# Altium PCB DSD_SDR_MainBoard_Quad.PcbDoc (part 1 of 2) (continued)
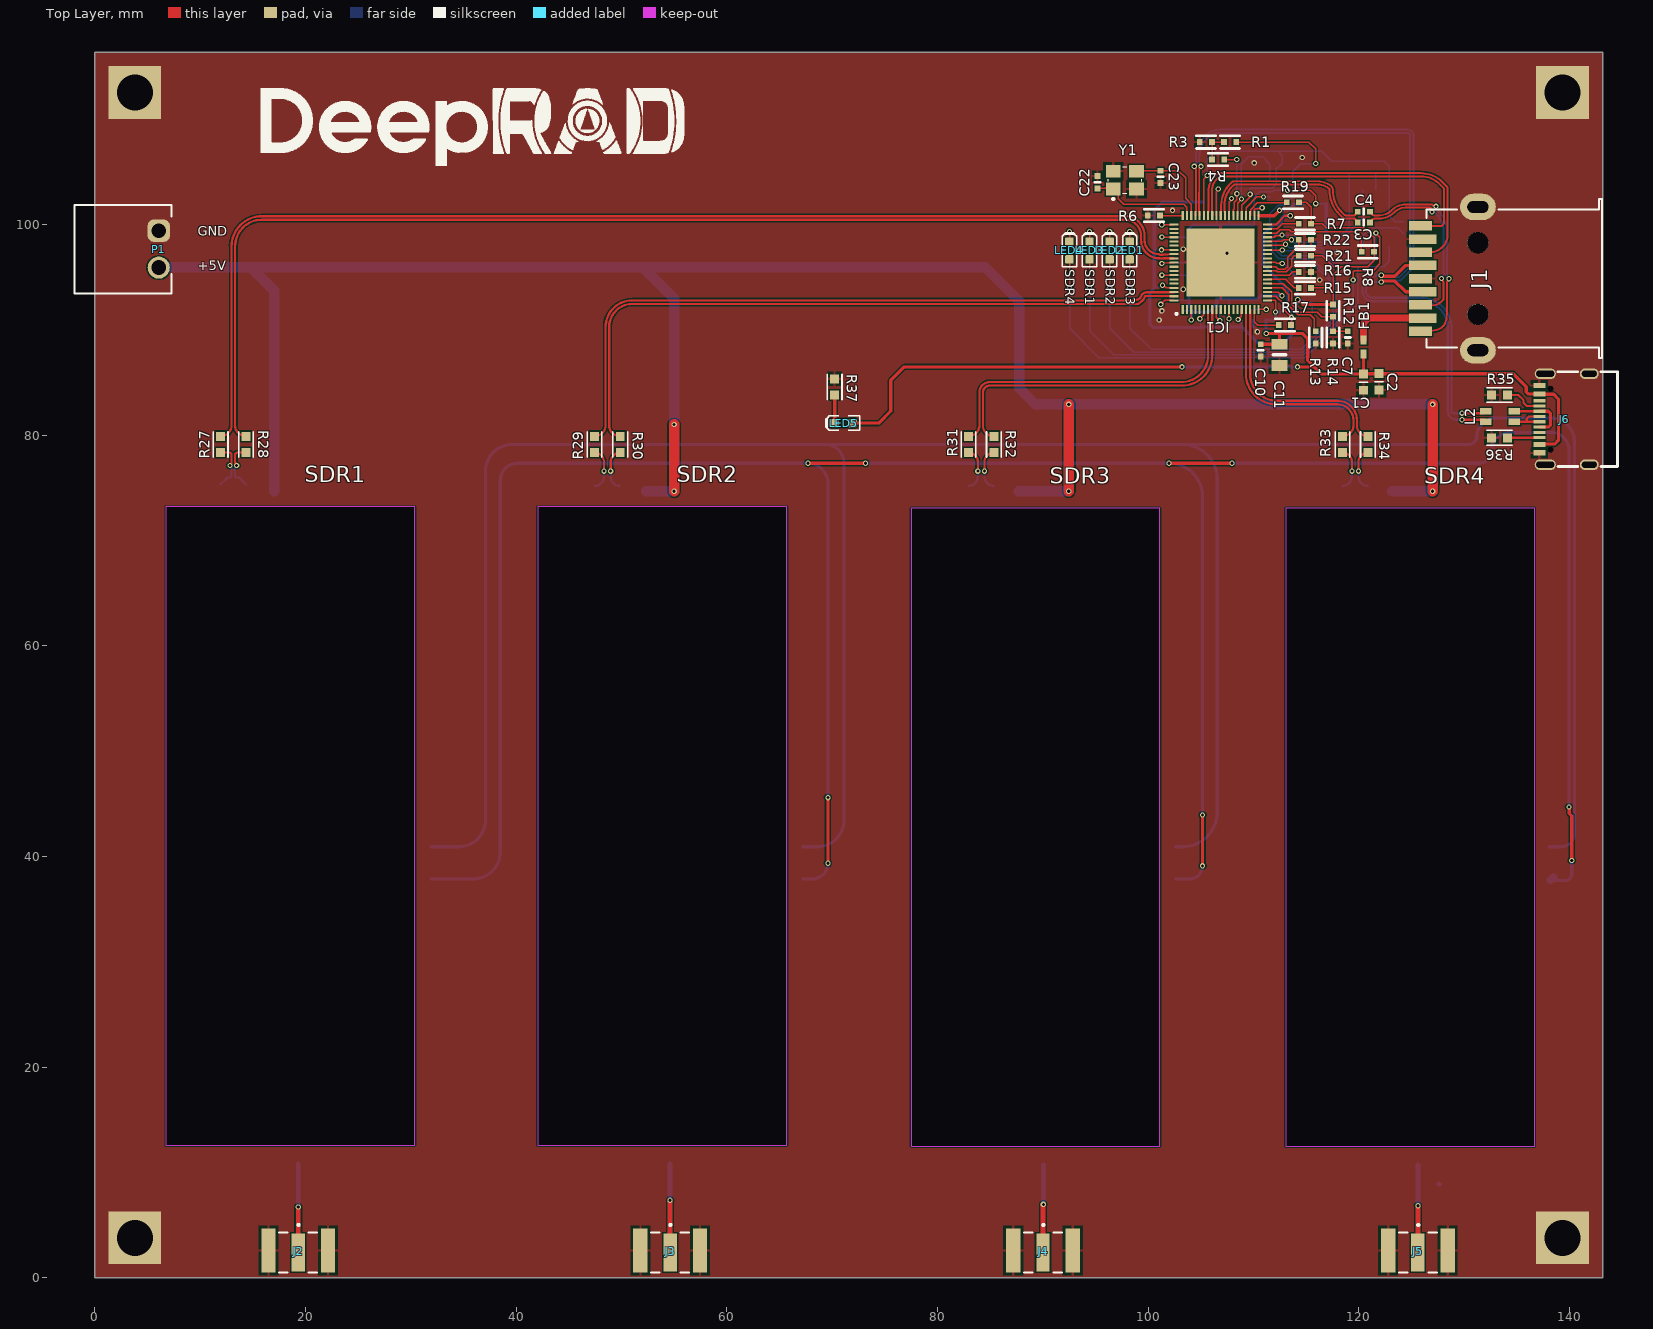
[diagram p0: Top Layer view]
## Footprints (in the part's own frame and the unit in brackets; to place one, negate y for a bottom-side part, rotate by r counter-clockwise, add the part's x,y. Pads: shape width x height; smd on the part's side, far side on the other; paste and mask are expansions set on the pad)
691322110002 [mm] "Horizontal PCB Header, pitch 3.5mm, 02p"
  rrect50% 2.1x2.1 hole 1.4: 1(-1.75,3.4)
  round 2.1 hole 1.4: 2(1.75,3.4)
  silkscreen extent -4.2,-4.6 4.2,4.6, body extent -4.2,-4.6 4.2,4.6, height 7.3
692122030100 [mm] "USB 3.0 Type A Horizontal SMD"
  rect 0.9x2.6 smd: 1(-3.75,8.67) 2(-1.25,8.67) 3(1.25,8.67) 4(3.75,8.67)
  rect 0.9x2.15 smd: 5(5,8.895) 6(2.5,8.895) 7(0,8.895) 8(-2.5,8.895) 9(-5,8.895)
  round 2 hole 2 unplated: MH1(-3.4,3.45) MH2(3.4,3.45)
  oval 2.52x3.4 hole 1.12 slot 2 at 90 deg: Shell(-6.8,3.45) Shell(6.8,3.45)
  silkscreen extent -7.55,-8.33 7.55,8.33, body extent -7.55,-8.33 7.55,9.47, height 7.95
ABM8G16000MHZB4YT [mm]
  rect 1.4x1.2 smd: 1(-1.1,-0.85) 2(1.1,-0.85) 3(1.1,0.85) 4(-1.1,0.85)
  silkscreen extent -1.6,-1.9 1.6,1.25, body extent -1.68,-1.33 1.68,1.33, height 1.1
INDC2518X200N [mm]
  rect 1.14x2.02 smd: 1(-1.14,0) 2(1.14,0)
  silkscreen extent -0.25,-1 0.25,1, body extent -1.27,-1 1.23,1, height 1.81
JAE_DX07S016JA1R1500 [mm]
  rect 0.5x1.14 smd paste-100 mask+0.051: 1(-3.075,3.477) 2(-2.275,3.477) 11(2.525,3.477) 12(3.325,3.477)
  rect 0.3x1.14 smd paste-100 mask+0.051: 3(-1.625,3.478) 4(-1.125,3.477) 5(-0.625,3.477) 6(-0.125,3.477) 7(0.375,3.477) 8(0.875,3.477) 9(1.375,3.478) 10(1.875,3.477)
  oval 1x2 hole 0.6 slot 1.7 at 90 deg paste-2539.97 mask+0.051: S3(-4.195,2.91) S4(4.445,2.91)
  oval 1x1.8 hole 0.6 slot 1.4 at 90 deg paste-2539.97 mask+0.051: S5(-4.195,-1.27) S6(4.445,-1.27)
  round 0.3 hole 0.5 paste-2539.97 mask+0.051: ""(-2.765,2.41) ""(3.015,2.41)
  silkscreen extent -4.38,-3.95 4.62,1.7, body extent -4.31,-3.86 4.64,4.04, height 3.16
LED-0603-GREEN [mm]
  round 0.254 on Mech15: 0(0,0)
  rrect25% 0.8x0.8 smd: A(-0.85,0) K(0.85,0)
  Top Layer pour cut-out: -0.5,0.5 0.5,0.5 0.5,-0.5 -0.5,-0.5
  silkscreen extent -1.55,-0.68 1.67,0.68, body extent -0.8,-0.4 0.8,0.4, height 0.75
QFN40P900X900X90-77N-D [mm]
  rect 0.85x0.2 smd: 1(-4.45,3.6) 2(-4.45,3.2) 3(-4.45,2.8) 4(-4.45,2.4) 5(-4.45,2) 6(-4.45,1.6) 7(-4.45,1.2) 8(-4.45,0.8) 9(-4.45,0.4) 10(-4.45,0) 11(-4.45,-0.4) 12(-4.45,-0.8) 13(-4.45,-1.2) 14(-4.45,-1.6) 15(-4.45,-2) 16(-4.45,-2.4) 17(-4.45,-2.8) 18(-4.45,-3.2) 19(-4.45,-3.6) 39(4.45,-3.6) 40(4.45,-3.2) 41(4.45,-2.8) 42(4.45,-2.4) 43(4.45,-2) 44(4.45,-1.6) 45(4.45,-1.2) 46(4.45,-0.8) 47(4.45,-0.4) 48(4.45,0) 49(4.45,0.4) 50(4.45,0.8) 51(4.45,1.2) 52(4.45,1.6) 53(4.45,2) 54(4.45,2.4) 55(4.45,2.8) 56(4.45,3.2) 57(4.45,3.6)
  rect 0.2x0.85 smd: 20(-3.6,-4.45) 21(-3.2,-4.45) 22(-2.8,-4.45) 23(-2.4,-4.45) 24(-2,-4.45) 25(-1.6,-4.45) 26(-1.2,-4.45) 27(-0.8,-4.45) 28(-0.4,-4.45) 29(0,-4.45) 30(0.4,-4.45) 31(0.8,-4.45) 32(1.2,-4.45) 33(1.6,-4.45) 34(2,-4.45) 35(2.4,-4.45) 36(2.8,-4.45) 37(3.2,-4.45) 38(3.6,-4.45) 58(3.6,4.45) 59(3.2,4.45) 60(2.8,4.45) 61(2.4,4.45) 62(2,4.45) 63(1.6,4.45) 64(1.2,4.45) 65(0.8,4.45) 66(0.4,4.45) 67(0,4.45) 68(-0.4,4.45) 69(-0.8,4.45) 70(-1.2,4.45) 71(-1.6,4.45) 72(-2,4.45) 73(-2.4,4.45) 74(-2.8,4.45) 75(-3.2,4.45) 76(-3.6,4.45)
  rect 6.45x6.45 smd: 77(0,0)
  silkscreen extent -4.97,4.1 -4.78,4.3, body extent -4.55,-4.55 4.55,4.55, height 0.9
SAMTEC_SMA-J-P-H-ST-EM1 [mm]
  rect 1.27x3.6 smd: 1(0,0)
  rect 1.35x4.2 smd: 2_1(-2.825,0.2) 3_1(2.825,0.2)
  rect 1.35x4.2 smd far side: 2_2(-2.825,0.2) 3_2(2.825,0.2)
  silkscreen extent -1.8,-1.9 1.8,2.72, body extent -3.17,-12.25 3.17,1.08, height 3.55
SDR [mm]
  rect 1.5x2 smd far side: 1(11.792,4.027) 2(6.972,4.027) 3(9.382,4.027) 4(4.562,4.027) 4(16.615,-59.816) 7(14.085,-59.816)
  rect 2x1.5 smd far side: 4(0.037,-55.626) 4(0.037,-53.105) 4(0.037,-2.429) 4(0.037,-0.019) 4(26.67,-55.626) 4(26.67,-53.086) 4(26.67,-2.423) 4(26.67,-0.013) 5(26.67,-29.718) 6(26.67,-32.766)
  Keep-Out Layer board cut-out: 25.146,-58.039 25.146,2.54 1.524,2.54 1.524,-58.039
SMD-0402-RES [mm]
  rect 0.55x0.55 smd: 1(0,0.584) 2(0,-0.584)
  silkscreen extent -0.6,-0.9 0.6,0.9, body extent -0.28,-0.57 0.27,0.58, height 0.41
SMD-0402C [mm]
  rect 0.55x0.55 smd: 1(0,0.584) 2(0,-0.584)
  silkscreen extent -0.25,0 0.25,0, body extent -0.25,-0.51 0.25,0.51, height 0.51
SMD-0603-RES [mm]
  rect 0.85x0.85 smd: 1(0,0.775) 2(0,-0.775)
  silkscreen extent -0.7,-1.2 0.7,1.2, body extent -0.4,-0.85 0.4,0.85, height 0.56
SMD-0603C [mm]
  rect 0.85x0.85 smd: 1(0,0.775) 2(0,-0.775)
  silkscreen extent -0.4,0 0.4,0, body extent -0.4,-0.8 0.4,0.8, height 0.9
SMD-0805C [mil]
  rect 60x40 smd: 1(0,40) 2(0,-40)
  silkscreen extent -25,0 25,0, body extent -25,-39 25,39, height 35
SOIC127P600X175-8N [mm]
  rect 1.525x0.65 smd: 1(-2.712,1.905) 2(-2.712,0.635) 3(-2.712,-0.635) 4(-2.712,-1.905) 5(2.712,-1.905) 6(2.712,-0.635) 7(2.712,0.635) 8(2.712,1.905)
  silkscreen extent -3.47,-2.45 1.6,2.58, body extent -3,-2.45 3,2.45, height 1.75
WE-CBA_0402_L1W0.5H0.5_HC [mm] "SMD EMI Suppression Ferrite Bead, 2-Leads, body 1.00x0.50mm"
  rect 0.85x0.6 smd: 1(-0.675,0) 2(0.675,0)
  body extent -0.5,-0.25 0.5,0.25, height 0.5
WE-CNSW_1206 [mm] "SMT Common Mode Line Filter, 4-leads, body 3.20x1.60mm"
  rect 1.1x0.6 smd: 1(-1.35,0.5) 2(1.35,0.5) 3(1.35,-0.5) 4(-1.35,-0.5)
  body extent -1.6,-0.8 1.6,0.8, height 1.8

## Part data
C1 C5: library part GRT188C81C106ME13D, "CAP CER 10UF 16V X6S 0603", Digi-Key Part Number=490-12286-1-ND, Manufacturer="Murata Electronics North America", Operating Temperature="-55°C ~ 105°C", Package / Case="0603 (1608 Metric)", Ratings=AEC-Q200, Temperature Coefficient=X6S, Tolerance=±20%, Voltage=16V, @ qty=0, Applications=Automotive, Datasheets=http://search.murata.co.jp/Ceramy/image/img/A01X/G101/ENG/GRT188C81C106ME13-01.pdf, Factory Stock=0, Features=-, Height - Seated (Max)=-, Image=//media.digikey.com/Renders/Murata%20Renders/0603%28LQG18%29.jpg, Lead Spacing=-, Lead Style=-, Minimum Quantity=1, Mounting Type="Surface Mount, MLCC", Packaging="Cut Tape (CT)", Part Number=GRT188C81C106ME13D, Part Status=Active, Quantity Available=5439, Series=GRT, Size / Dimension="0.063\" L x 0.031\" W (1.60mm x 0.80mm)", Thickness (Max)="0.035\" (0.90mm)", Unit Price (USD)=0,46
C2: library part GRT188C81C225KE13D, "CAP CER 2.2UF 16V X6S 0603", Digi-Key Part Number=490-12287-1-ND, Manufacturer="Murata Electronics North America", Operating Temperature="-55°C ~ 105°C", Package / Case="0603 (1608 Metric)", Ratings=AEC-Q200, Temperature Coefficient=X6S, Tolerance=±10%, Voltage=16V, @ qty=0, Applications=Automotive, Datasheets=http://search.murata.co.jp/Ceramy/image/img/A01X/G101/ENG/GRT188C81C225KE13-01.pdf, Factory Stock=0, Features=-, Height - Seated (Max)=-, Image=//media.digikey.com/Renders/Murata%20Renders/0603%28LQG18%29.jpg, Lead Spacing=-, Lead Style=-, Minimum Quantity=1, Mounting Type="Surface Mount, MLCC", Packaging="Cut Tape (CT)", Part Number=GRT188C81C225KE13D, Part Status=Active, Quantity Available=5939, Series=GRT, Size / Dimension="0.063\" L x 0.031\" W (1.60mm x 0.80mm)", Thickness (Max)="0.035\" (0.90mm)", Unit Price (USD)=0,21
C3 C4 C6 C8 C10 C14 C15 C16 C17 C18 C19 C20 C21 C24 C25 C26 C27 C28 C29 C30 C31 C32 C33: library part GCM155R71C104KA55J, "CAP CER 0.1UF 16V X7R 0402", Digi-Key Part Number=490-7998-1-ND, Manufacturer="Murata Electronics North America", Operating Temperature="-55°C ~ 125°C", Package / Case="0402 (1005 Metric)", Ratings=AEC-Q200, Temperature Coefficient=X7R, Tolerance=±10%, Voltage=16V, @ qty=0, Applications=Automotive, Datasheets=http://www.murata.com/~/media/webrenewal/support/library/catalog/products/capacitor/mlcc/c03e.ashx, Factory Stock=0, Features=-, Height - Seated (Max)=-, Image=//media.digikey.com/Renders/Murata%20Renders/ZRB-SERIES-0402.jpg, Lead Spacing=-, Lead Style=-, Minimum Quantity=1, Mounting Type="Surface Mount, MLCC", Packaging="Cut Tape (CT)", Part Number=GCM155R71C104KA55J, Part Status=Active, Quantity Available=618705, Series=GCM, Size / Dimension="0.039\" L x 0.020\" W (1.00mm x 0.50mm)", Thickness (Max)="0.022\" (0.55mm)", Unit Price (USD)=0,1
C7 C12 C13: library part GRM155R61E105MA12D, "CAP CER 1UF 25V X5R 0402", Digi-Key Part Number=490-10018-1-ND, Manufacturer="Murata Electronics North America", Operating Temperature="-55°C ~ 85°C", Package / Case="0402 (1005 Metric)", Ratings=-, Temperature Coefficient=X5R, Tolerance=±20%, Voltage=25V, @ qty=0, Applications="General Purpose", Datasheets=http://www.murata.com/~/media/webrenewal/support/library/catalog/products/capacitor/mlcc/c02e.pdf, Factory Stock=0, Features="Derating Recommended", Height - Seated (Max)=-, Image=//media.digikey.com/Renders/Murata%20Renders/ZRB-SERIES-0402.jpg, Lead Spacing=-, Lead Style=-, Minimum Quantity=1, Mounting Type="Surface Mount, MLCC", Packaging="Cut Tape (CT)", Part Number=GRM155R61E105MA12D, Part Status=Active, Quantity Available=32609, Series=GRM, Size / Dimension="0.039\" L x 0.020\" W (1.00mm x 0.50mm)", Thickness (Max)="0.022\" (0.55mm)", Unit Price (USD)=0,1
C9: library part ZRB15XR61A475KE01D, "CAP CER 4.7UF 10V X5R 0402", Digi-Key Part Number=490-13252-1-ND, Manufacturer="Murata Electronics North America", Operating Temperature="-55°C ~ 85°C", Package / Case="0402 (1005 Metric)", Ratings=-, Temperature Coefficient=X5R, Tolerance=±10%, Voltage=10V, @ qty=0, Applications="Acoustic Noise Reduction", Datasheets=http://search.murata.co.jp/Ceramy/image/img/A01X/G101/ENG/ZRB15XR61A475KE01-01.pdf, Factory Stock=0, Features="Derating Recommended, Interposer Termination", Height - Seated (Max)=-, Image=//media.digikey.com/Renders/Murata%20Renders/ZRB-SERIES-0402.jpg, Lead Spacing=-, Lead Style=-, Minimum Quantity=1, Mounting Type="Surface Mount, MLCC", Packaging="Cut Tape (CT)", Part Number=ZRB15XR61A475KE01D, Part Status=Active, Quantity Available=23076, Series=ZRB, Size / Dimension="0.039\" L x 0.020\" W (1.00mm x 0.50mm)", Thickness (Max)="0.031\" (0.80mm)", Unit Price (USD)=0,28
C11: library part GRT21BC81C106KE01L, "CAP CER 10UF 16V X6S 0805", Digi-Key Part Number=490-12343-1-ND, Manufacturer="Murata Electronics North America", Operating Temperature="-55°C ~ 105°C", Package / Case="0805 (2012 Metric)", Ratings=AEC-Q200, Temperature Coefficient=X6S, Tolerance=±10%, Voltage=16V, @ qty=0, Applications=Automotive, Datasheets=http://search.murata.co.jp/Ceramy/image/img/A01X/G101/ENG/GRT21BC81C106KE01-01.pdf, Factory Stock=0, Features="Derating Recommended", Height - Seated (Max)=-, Image=//media.digikey.com/Renders/Murata%20Renders/GRT%20Series%200805(2012%20Metric).jpg, Lead Spacing=-, Lead Style=-, Minimum Quantity=1, Mounting Type="Surface Mount, MLCC", Packaging="Cut Tape (CT)", Part Number=GRT21BC81C106KE01L, Part Status=Active, Quantity Available=4300, Series=GRT, Size / Dimension="0.079\" L x 0.049\" W (2.00mm x 1.25mm)", Thickness (Max)="0.057\" (1.45mm)", Unit Price (USD)=0,54
C22 C23: library part GRM1555C1E180JA01D, "CAP CER 18PF 25V NP0 0402", Digi-Key Part Number=490-6172-1-ND, Manufacturer="Murata Electronics North America", Operating Temperature="-55°C ~ 125°C", Package / Case="0402 (1005 Metric)", Ratings=-, Temperature Coefficient="C0G, NP0", Tolerance=±5%, Voltage=25V, @ qty=0, Applications="General Purpose", Datasheets=http://www.murata.com/~/media/webrenewal/support/library/catalog/products/capacitor/mlcc/c02e.pdf, Factory Stock=0, Features=-, Height - Seated (Max)=-, Image=//media.digikey.com/Renders/Murata%20Renders/ZRB-SERIES-0402.jpg, Lead Spacing=-, Lead Style=-, Minimum Quantity=1, Mounting Type="Surface Mount, MLCC", Packaging="Cut Tape (CT)", Part Number=GRM1555C1E180JA01D, Part Status=Active, Quantity Available=78161, Series=GRM, Size / Dimension="0.039\" L x 0.020\" W (1.00mm x 0.50mm)", Thickness (Max)="0.022\" (0.55mm)", Unit Price (USD)=0,1
FB1: library part 782423100, "WE-CBA SMT EMI Suppression Ferrite Bead, size 0402, 10Ohm, 1.5A", Case/Size Code=0402, DC Resistance Max=0.03Ohm, Manufacturer="Wurth Elektronik", Operating Temperature Max=125°C, Operating Temperature Min=-55°C, Rated Current=1.5A, Automotive=Yes, Category="Ferrites for PCB Assembly", ComponentLink1Description="Website Link", ComponentLink1URL=https://www.we-online.com/redexpert/article/782423100?ad, ComponentLink2Description="Datasheet Link", ComponentLink2URL=https://www.we-online.com/redexpert/spec/782423100?ad, Height=0.5mm, Impedance @100MHz=10Ohm, Impedance Max=17Ohm, Length=1mm, Manufacturer Part Number=782423100, Match Code=WE-CBA, Mount="Surface Mount", Packaging="Tape and Reel", Type="High Current", Width=0.5mm
IC1: "Integrated Circuit", Manufacturer_Name=VIA, Manufacturer_Part_Number=VL817-Q7(B0), Datasheet Link=https://item.szlcsc.com/210703.html, Height=0.9mm
IC2: "Integrated Circuit", Manufacturer_Name=Microchip, Mouser Part Number=804-25VF512A3CSAE, Arrow Part Number=SST25VF512A-33-4C-SAE, Arrow Price/Stock=https://www.arrow.com/en/products/sst25vf512a-33-4c-sae/microchip-technology?region=nac, Datasheet Link=http://ww1.microchip.com/downloads/en/DeviceDoc/25090A.pdf, Height=1.75mm, Manufacturer_Part_Number=SST25VF512A-33-4C-SAE, Mouser Price/Stock=https://www.mouser.co.uk/ProductDetail/Microchip-Technology/SST25VF512A-33-4C-SAE?qs=sPPKN8MmjErx4W822Eh6pg%3D%3D
J1: "WR-COM USB 3.0 Type A Horizontal SMT", Manufacturer="Wurth Elektronik", Operating Temperature Max=85°C, Operating Temperature Min=-20°C, Rated Current=1.8A, Working Voltage="30V (AC)", Application="USB 3.0", Category="Input/Output Connectors", ComponentLink1Description="Website Link", ComponentLink1URL=https://www.we-online.com/redexpert/article/692122030100?ad, ComponentLink2Description="Datasheet Link", ComponentLink2URL=https://www.we-online.com/redexpert/spec/692122030100?ad, Gender=Receptacle, Interface Type="Type A", Manufacturer Part Number=692122030100, Match Code=WR-USB, Mount="Surface Mount", Number of Pins=9, Number of Ports=1, Orientation=Horizontal, Packaging="Tape and Reel"
J2 J3 J4 J5: "SMA Connector Jack, Female Socket 50Ohm Board Edge, End Launch Solder", Package=None, Availability=Unavailable, MF=Samtec, MP=SMA-J-P-H-ST-EM1, Price=None
J6: "USB-C (USB TYPE-C) USB 2.0 Receptacle Connector 24 (16+8 Dummy) Position Surface Mount, Right Angle; Through Hole", Package=None, Availability=Unavailable, MP=DX07S016JA1R1500, Price=None
L1: library part CB2518T4R7M, "Ind Power Chip Wirewound 4.7uH 20% 7.96MHz Ferrite 1.1A 1007 T/R", Package=None, Availability=Unavailable, MP=CB2518T4R7M, Price=None
L2: library part 744232090, "WE-CNSW SMT Common Mode Line Filter, size 1206, 90Ohm, 0.111uH, 50V", Case/Size Code=1206, DC Resistance Max=0.3Ohm, Inductance=0.111uH, Insulation Test Voltage=125VAC, Manufacturer="Wurth Elektronik", Operating Temperature Max=125°C, Operating Temperature Min=-40°C, Rated Current=0.37A, Rated Voltage=50V, Category="Common Mode Chokes", ComponentLink1Description="Manufacturer Link", ComponentLink1URL=https://www.we-online.com/redexpert/article/744232090?ad, ComponentLink2Description=Datasheet, ComponentLink2URL=https://www.we-online.com/redexpert/spec/744232090?ad, Height=1.8mm, Impedance @100MHz=90Ohm, Length=3.2mm, Manufacturer Part Number=744232090, Match Code=WE-CNSW, Mount="Surface Mount", Packaging="Tape and Reel", Width=1.6mm, Winding Style=bifiliar
LED1 LED2 LED3 LED4: library part LED_SMD_Green_0603_525nm_350mcd, "LED 0603 SMD Green 525nm 350mcd 20mA", Current - Test=20mA, Manufacturer 1=Kingbright, Manufacturer 2="Kingbright Company LLC", Manufacturer Part Number 1=APT1608ZGCK, Manufacturer Part Number 2=APT1608-WAP24, Package / Case="0603 (1608 metric)", Ratings="200mcd min; 350 mcd typ @ 20mA", Supplier Part Number 1=604-APT1608ZGCK, Voltage - Forward (Vf) @ 10mA=3.1V, Voltage - Forward (Vf) @ 20mA=3.3V, Color=Green, ComponentLink1Description=http://www.mouser.com/ds/2/216/APT1608ZGCK-262051.pdf, ComponentLink1URL=http://www.mouser.com/ds/2/216/APT1608ZGCK-262051.pdf, ComponentLink2Description="APT1608-WAP24 Datasheet", ComponentLink2URL="\\SVFI2\PBLShare\Eng\Electrical Engineering\Hardware\Altium\Libraries and Templates\Unreleased Components\Part Number Request 2013-10-02\APT1608-WAP24(Ver.1B).pdf", Lens Style/Size="Rectangle with Flat Top, 1.2mm x 0.8mm", Material=InGaN, SCDType=source, Supplier 1=Mouser, Viewing Angle=120°
LED5: library part LED_SMD_Green_0603_570nm, "LED 0603 SMD Green 570nm 50mcd 20mA", Current - Test=20mA, Manufacturer 1="Kingbright Company LLC", Manufacturer Part Number 1=APT1608CGCK, Package / Case="0603 (1608 metric)", Ratings="20mcd min; 50 mcd typ; 570 nm", Supplier Part Number 1=754-1116-1-ND, Voltage - Forward (Vf) @ 10mA=2.0V, Voltage - Forward (Vf) Typ=2.1V, Color=Green, ComponentLink1Description=http://www.us.kingbright.com/images/catalog/SPEC/APT1608CGCK.pdf, ComponentLink1URL=http://www.us.kingbright.com/images/catalog/SPEC/APT1608CGCK.pdf, Lens Style/Size="Rectangle with Flat Top, 1.1mm x 0.8mm", Lens Type=Clear, Material=AlGaInP, RoHS 1="RoHS Compliant", SCDType=source, Supplier 1=Digi-Key, Viewing Angle=120°, Wavelength - Dominant=570nm, Wavelength - Peak=574nm
P1: "WR-TBL Serie 3221 Horizontal PCB Header, Pluggable, THT, pitch 3.5mm, 2p", Manufacturer="Wurth Elektronik", Operating Temperature="-40 to +105degC", Rated Current [UL]=10A, Working Voltage [UL]=300VAC, Application=Pluggable, ComponentLink1Description=Manufacturer, ComponentLink1URL=http://www.we-online.de, ComponentLink2Description=Datasheet, ComponentLink2URL=https://katalog.we-online.de/em/datasheet/691322110002.pdf, Manufacturer Part Number=691322110002, Modularity=No, Mounting Technology=THT, Packaging=Box, PCB/Cable/Panel=PCB, Pin Number=2, Pitch=3.5mm, Published Date="Feburary 2021", Type=Horizontal
R1 R13: library part ERJ-2RKF4701X, "RES SMD 4.7K OHM 1% 1/10W 0402", Digi-Key Part Number=P4.70KLCT-ND, Manufacturer="Panasonic Electronic Components", Operating Temperature="-55°C ~ 155°C", Package / Case="0402 (1005 Metric)", Power (Watts)="0.1W, 1/10W", Supplier Device Package=0402, Temperature Coefficient=±100ppm/°C, Tolerance=±1%, @ qty=1500, Composition="Thick Film", Datasheets=http://industrial.panasonic.com/www-cgi/jvcr13pz.cgi?E+PZ+3+AOA0002+ERJ2RKF4701X+7+WW, Factory Stock=0, Failure Rate=-, Features="Automotive AEC-Q200", Height - Seated (Max)="0.016\" (0.40mm)", Image=//media.digikey.com/Photos/Panasonic%20Photos/ERJ-PA2-Series.jpg, Minimum Quantity=1, Number of Terminations=2, Packaging="Cut Tape (CT)", Part Number=ERJ-2RKF4701X, Part Status=Active, Quantity Available=1881807, Series=ERJ, Size / Dimension="0.039\" L x 0.020\" W (1.00mm x 0.50mm)", Unit Price (USD)=0.00496
R2 R3 R5 R7 R8 R9 R10 R11 R12 R15 R16 R17 R18 R19 R20 R21 R22: library part ERJ-2RKF1002X, "RES SMD 10K OHM 1% 1/10W 0402", Digi-Key Part Number=P10.0KLCT-ND, Manufacturer="Panasonic Electronic Components", Operating Temperature="-55°C ~ 155°C", Package / Case="0402 (1005 Metric)", Power (Watts)="0.1W, 1/10W", Supplier Device Package=0402, Temperature Coefficient=±100ppm/°C, Tolerance=±1%, @ qty=1500, Composition="Thick Film", Datasheets=http://industrial.panasonic.com/www-cgi/jvcr13pz.cgi?E+PZ+3+AOA0002+ERJ2RKF1002X+7+WW, Factory Stock=0, Failure Rate=-, Features="Automotive AEC-Q200", Height - Seated (Max)="0.016\" (0.40mm)", Image=//media.digikey.com/Photos/Panasonic%20Photos/ERJ-PA2-Series.jpg, Minimum Quantity=1, Number of Terminations=2, Packaging="Cut Tape (CT)", Part Number=ERJ-2RKF1002X, Part Status=Active, Quantity Available=9922786, Series=ERJ, Size / Dimension="0.039\" L x 0.020\" W (1.00mm x 0.50mm)", Unit Price (USD)=0.00496
R4 R14: library part ERJ-2RKF1003X, "RES SMD 100K OHM 1% 1/10W 0402", Digi-Key Part Number=P100KLCT-ND, Manufacturer="Panasonic Electronic Components", Operating Temperature="-55°C ~ 155°C", Package / Case="0402 (1005 Metric)", Power (Watts)="0.1W, 1/10W", Supplier Device Package=0402, Temperature Coefficient=±100ppm/°C, Tolerance=±1%, @ qty=1500, Composition="Thick Film", Datasheets=http://industrial.panasonic.com/www-cgi/jvcr13pz.cgi?E+PZ+3+AOA0002+ERJ2RKF1003X+7+WW, Factory Stock=0, Failure Rate=-, Features="Automotive AEC-Q200", Height - Seated (Max)="0.016\" (0.40mm)", Image=//media.digikey.com/Photos/Panasonic%20Photos/ERJ-PA2-Series.jpg, Minimum Quantity=1, Number of Terminations=2, Packaging="Cut Tape (CT)", Part Number=ERJ-2RKF1003X, Part Status=Active, Quantity Available=2645965, Series=ERJ, Size / Dimension="0.039\" L x 0.020\" W (1.00mm x 0.50mm)", Unit Price (USD)=0.00496
R6: library part ERJ-2RKF6041X, "RES SMD 6.04K OHM 1% 1/10W 0402", Digi-Key Part Number=P6.04KLCT-ND, Manufacturer="Panasonic Electronic Components", Operating Temperature="-55°C ~ 155°C", Package / Case="0402 (1005 Metric)", Power (Watts)="0.1W, 1/10W", Supplier Device Package=0402, Temperature Coefficient=±100ppm/°C, Tolerance=±1%, @ qty=1500, Composition="Thick Film", Datasheets=http://industrial.panasonic.com/www-cgi/jvcr13pz.cgi?E+PZ+3+AOA0002+ERJ2RKF6041X+7+WW, Factory Stock=0, Failure Rate=-, Features="Automotive AEC-Q200", Height - Seated (Max)="0.016\" (0.40mm)", Image=//media.digikey.com/Photos/Panasonic%20Photos/ERJ-PA2-Series.jpg, Minimum Quantity=1, Number of Terminations=2, Packaging="Cut Tape (CT)", Part Number=ERJ-2RKF6041X, Part Status=Active, Quantity Available=368877, Series=ERJ, Size / Dimension="0.039\" L x 0.020\" W (1.00mm x 0.50mm)", Unit Price (USD)=0.00496
R23 R24 R25 R26: library part ERJ-2GEJ471X, "RES SMD 470 OHM 5% 1/10W 0402", Digi-Key Part Number=P470JCT-ND, Manufacturer="Panasonic Electronic Components", Operating Temperature="-55°C ~ 155°C", Package / Case="0402 (1005 Metric)", Power (Watts)="0.1W, 1/10W", Supplier Device Package=0402, Temperature Coefficient=±200ppm/°C, Tolerance=±5%, @ qty=1500, Composition="Thick Film", Datasheets=http://industrial.panasonic.com/www-cgi/jvcr13pz.cgi?E+PZ+3+AOA0001+ERJ2GEJ471X+7+WW, Factory Stock=0, Failure Rate=-, Features="Automotive AEC-Q200", Height - Seated (Max)="0.016\" (0.40mm)", Image=//media.digikey.com/Photos/Panasonic%20Photos/ERJ-PA2-Series.jpg, Minimum Quantity=1, Number of Terminations=2, Packaging="Cut Tape (CT)", Part Number=ERJ-2GEJ471X, Part Status=Active, Quantity Available=870271, Series=ERJ, Size / Dimension="0.039\" L x 0.020\" W (1.00mm x 0.50mm)", Unit Price (USD)=0.00350
R27 R28 R29 R30 R31 R32 R33 R34: library part ERJ-3GEY0R00V, "RES SMD 0.0OHM JUMPER 1/10W 0603", Digi-Key Part Number=P0.0GCT-ND, Manufacturer="Panasonic Electronic Components", Operating Temperature="-55°C ~ 155°C", Package / Case="0603 (1608 Metric)", Power (Watts)="0.1W, 1/10W", Supplier Device Package=0603, Temperature Coefficient=-, Tolerance=Jumper, @ qty=1500, Composition="Thick Film", Datasheets=http://industrial.panasonic.com/www-cgi/jvcr13pz.cgi?E+PZ+3+AOA0001+ERJ3GEY0R00V+7+WW, Factory Stock=0, Failure Rate=-, Features="Automotive AEC-Q200", Height - Seated (Max)="0.022\" (0.55mm)", Image=//media.digikey.com/Photos/Panasonic%20Photos/MFG_ERJ-P6W%20Series.jpg, Minimum Quantity=1, Number of Terminations=2, Packaging="Cut Tape (CT)", Part Number=ERJ-3GEY0R00V, Part Status=Active, Quantity Available=4813372, Series=ERJ, Size / Dimension="0.063\" L x 0.031\" W (1.60mm x 0.80mm)", Unit Price (USD)=0.00352
R35 R36 R37: library part ERJ-3EKF5101V, "RES SMD 5.1K OHM 1% 1/10W 0603", Digi-Key Part Number=P5.10KHCT-ND, Manufacturer="Panasonic Electronic Components", Operating Temperature="-55°C ~ 155°C", Package / Case="0603 (1608 Metric)", Power (Watts)="0.1W, 1/10W", Supplier Device Package=0603, Temperature Coefficient=±100ppm/°C, Tolerance=±1%, @ qty=1500, Composition="Thick Film", Datasheets=http://industrial.panasonic.com/www-cgi/jvcr13pz.cgi?E+PZ+3+AOA0002+ERJ3EKF5101V+7+WW, Factory Stock=0, Failure Rate=-, Features="Automotive AEC-Q200", Height - Seated (Max)="0.022\" (0.55mm)", Image=//media.digikey.com/Photos/Panasonic%20Photos/MFG_ERJ-P6W%20Series.jpg, Minimum Quantity=1, Number of Terminations=2, Packaging="Cut Tape (CT)", Part Number=ERJ-3EKF5101V, Part Status=Active, Quantity Available=159646, Series=ERJ, Size / Dimension="0.063\" L x 0.031\" W (1.60mm x 0.80mm)", Unit Price (USD)=0.00379
Y1: "Crystal or Oscillator", Manufacturer_Name=ABRACON, Datasheet Link=https://abracon.com/Resonators/ABM8G.pdf, Height=1mm, Manufacturer_Part_Number=ABM8G-25.000MHZ-18-D-2-Y-T3

## Free pads (board coordinates)
  rect 5x5 hole 3.4: 2(3.8,3.8) 2(3.8,112.532) 2(139.329,3.8) 2(139.329,112.532)

## Via types
v1: diameter 0.5, hole 0.3, Top Layer to Bottom Layer, tented both sides, 98 vias

## Nets (pads, with @x,y where several pads share a name; then routed paths per layer and width w, separated by ;. In a path a pad name is that pad's centre, name@x,y a point inside that pad or via, vN(x,y) a via of type N, cw(c..) or ccw(c..) an arc to the next point about the centre after c; other vN are vias at no path point)
0SSTX_N: C3.2 J1.8 | length 18
  Top Layer w0.186: C3.2@121.052,100.203 121.213,100.364 ccw(c121.161,100.415) 121.234,100.415 cw(c121.307,100.415) 121.255,100.467 cw(c121.467,100.255) 121.467,100.554 121.896,100.554 ccw(c121.896,102.625) 123.36,101.161 123.361,101.163 cw(c124.436,100.088) 124.436,101.608 126.682,101.608 cw(c126.682,101.405) 126.825,101.548 cw(c126.682,101.405) 126.885,101.405 126.885,101.337 ccw(c127.09,101.337) v1(126.945,101.192) ; J1.8@125.67,92.369 126.599,92.368 126.632,92.368 cw(c126.631,92.182) 126.67,92.364 ccw(c126.951,93.637) 128,92.862 ccw(c127.849,92.972) 128.036,92.971 128.036,94.382 ccw(c127.502,94.382) 127.879,94.759 cw(c127.989,94.869) v1(127.834,94.869)
  Bottom Layer w0.186: v1(126.945,101.192) ccw(c127.09,101.337) 127.09,101.132 cw(c127.09,100.767) 127.348,101.025 cw(c125.689,99.366) 128.036,99.366 128.036,95.278 cw(c127.691,95.278) 127.935,95.034 127.879,94.979 ccw(c127.989,94.869) v1(127.834,94.869)
0SSTX_P: C4.2 J1.9 | length 21.1
  Top Layer w0.186: C4.2@121.052,101.219 121.213,101.058 cw(c121.161,101.007) 121.234,101.007 ccw(c121.307,101.007) 121.255,100.955 ccw(c121.467,101.167) 121.467,100.868 121.893,100.868 ccw(c121.893,102.631) 123.14,101.384 123.141,101.385 cw(c124.434,100.092) 124.434,101.921 126.801,101.921 cw(c126.801,101.692) 126.963,101.854 ccw(c127.124,102.016) 127.124,101.787 127.181,101.787 cw(c127.181,101.582) v1(127.326,101.727) ; J1.9@125.67,89.869 125.729,89.828 125.835,89.754 ccw(c125.941,89.908) 125.974,89.724 127.333,89.971 ccw(c126.975,91.366) 128.014,90.369 ccw(c126.975,91.366) 128.051,90.409 128.052,90.41 ccw(c127.911,90.531) 128.073,90.44 ccw(c126.15,91.506) 128.349,91.506 128.349,94.368 cw(c128.882,94.368) 128.505,94.745 ccw(c128.395,94.855) v1(128.55,94.855)
  Bottom Layer w0.186: v1(127.326,101.727) cw(c127.181,101.582) 127.386,101.582 ccw(c127.751,101.582) 127.493,101.324 127.571,101.246 cw(c125.692,99.367) 128.349,99.367 128.349,95.264 ccw(c128.693,95.264) 128.449,95.02 128.505,94.965 cw(c128.395,94.855) v1(128.55,94.855)
1_1V: C5.1 C6.1 C24.1 C25.1 C26.1 C27.1 C28.1 C29.1 C30.1 C31.1 C32.1 C33.1 IC1.3 IC1.9 IC1.12 IC1.22 IC1.40 IC1.46 IC1.49 IC1.61 IC1.67 IC1.70 IC1.76 L1.2 | length 75.7
  Top Layer w0.127: v1(101.187,92.424) 101.56,92.797 102.425,92.797 IC1.76@102.429,92.793 ; v1@101.272,98.793 IC1.61@102.429,98.793 ; v1@101.282,95.192 IC1.70@102.429,95.193 ; v1(101.291,96.295) 101.771,96.391 cw(c101.795,96.266) 101.795,96.393 IC1.67@102.429,96.393 ; IC1.3@104.079,91.943 104.082,91.94 104.082,90.935 v1(104.085,90.932) ; IC1.9@106.479,91.943 106.479,91.205 v1(106.798,90.886) ; IC1.49@106.479,100.843 106.479,103.105 106.643,103.269 v1(106.643,103.37) ; v1@107.66,91.078 107.66,91.924 IC1.12@107.679,91.943 ; IC1.46@107.679,100.843 107.679,102.134 107.914,102.369 v1(107.914,102.47) ; IC1.40@110.079,100.843 110.079,101.417 110.153,101.491 110.606,101.491 110.715,101.6 v1(110.816,101.6) ; IC1.22@111.329,93.593 112.346,93.593 v1(112.699,93.239) ; v1(113.229,103.251) 115.388,103.251 115.896,102.743 v1(115.896,101.981)
  Bottom Layer w0.127: v1(101.187,92.424) 101.187,92.492 101.509,92.814 103.315,92.814 103.317,92.812 C27.1@103.882,92.812 ; v1(101.291,98.806) C30.1@103.882,98.806 ; v1(101.291,96.295) 101.771,96.391 cw(c101.795,96.266) 101.795,96.393 C29.1@103.882,96.393 ; v1(101.295,95.195) C28.1@103.882,95.195 ; C24.1@103.272,91.821 103.958,91.821 104.085,91.694 ; 106.478,92.456 106.798,92.136 v1(106.798,90.886) ; C31.1@106.498,99.955 106.498,103.124 106.643,103.269 v1(106.643,103.37) ; C26.1@107.632,92.939 107.677,92.893 v1(107.677,91.05) ; C32.1@107.702,99.955 107.702,102.158 107.914,102.369 v1(107.914,102.47) ; C33.1@110.048,99.955 110.048,100.02 110.048,101.275 ; v1(110.816,101.6) 110.373,101.6 110.048,101.275 ; v1(113.229,103.251) 111.937,103.251 111.81,103.124 110.562,103.124 110.048,102.61 110.048,101.275 ; v1(115.896,101.981) L1.2@116.909,101.981
  Bottom Layer w0.305: v1(104.085,90.932) 104.085,91.694 ; C33.1@110.048,100.02 109.983,99.955 C32.1@107.702,99.955 C31.1@106.498,99.955 104.217,99.955 103.882,99.619 C30.1@103.882,98.806 C29.1@103.882,96.393 103.882,95.195 C28.1@103.882,95.158 C27.1@103.882,92.812 103.882,92.151 104.085,91.948 104.085,91.694 ; v1(112.699,93.239) 110.71,93.239 110.409,92.939 C26.1@107.632,92.939 C25.1@106.498,92.939 106.498,92.456 105.736,91.694 104.085,91.694 ; C5.1@116.891,99.008 116.891,101.963 L1.2@116.909,101.981